# Altium PCB HAWACO_DATALOGER_DT-G2_V1.0.PcbDoc (part 1 of 3) (continued)
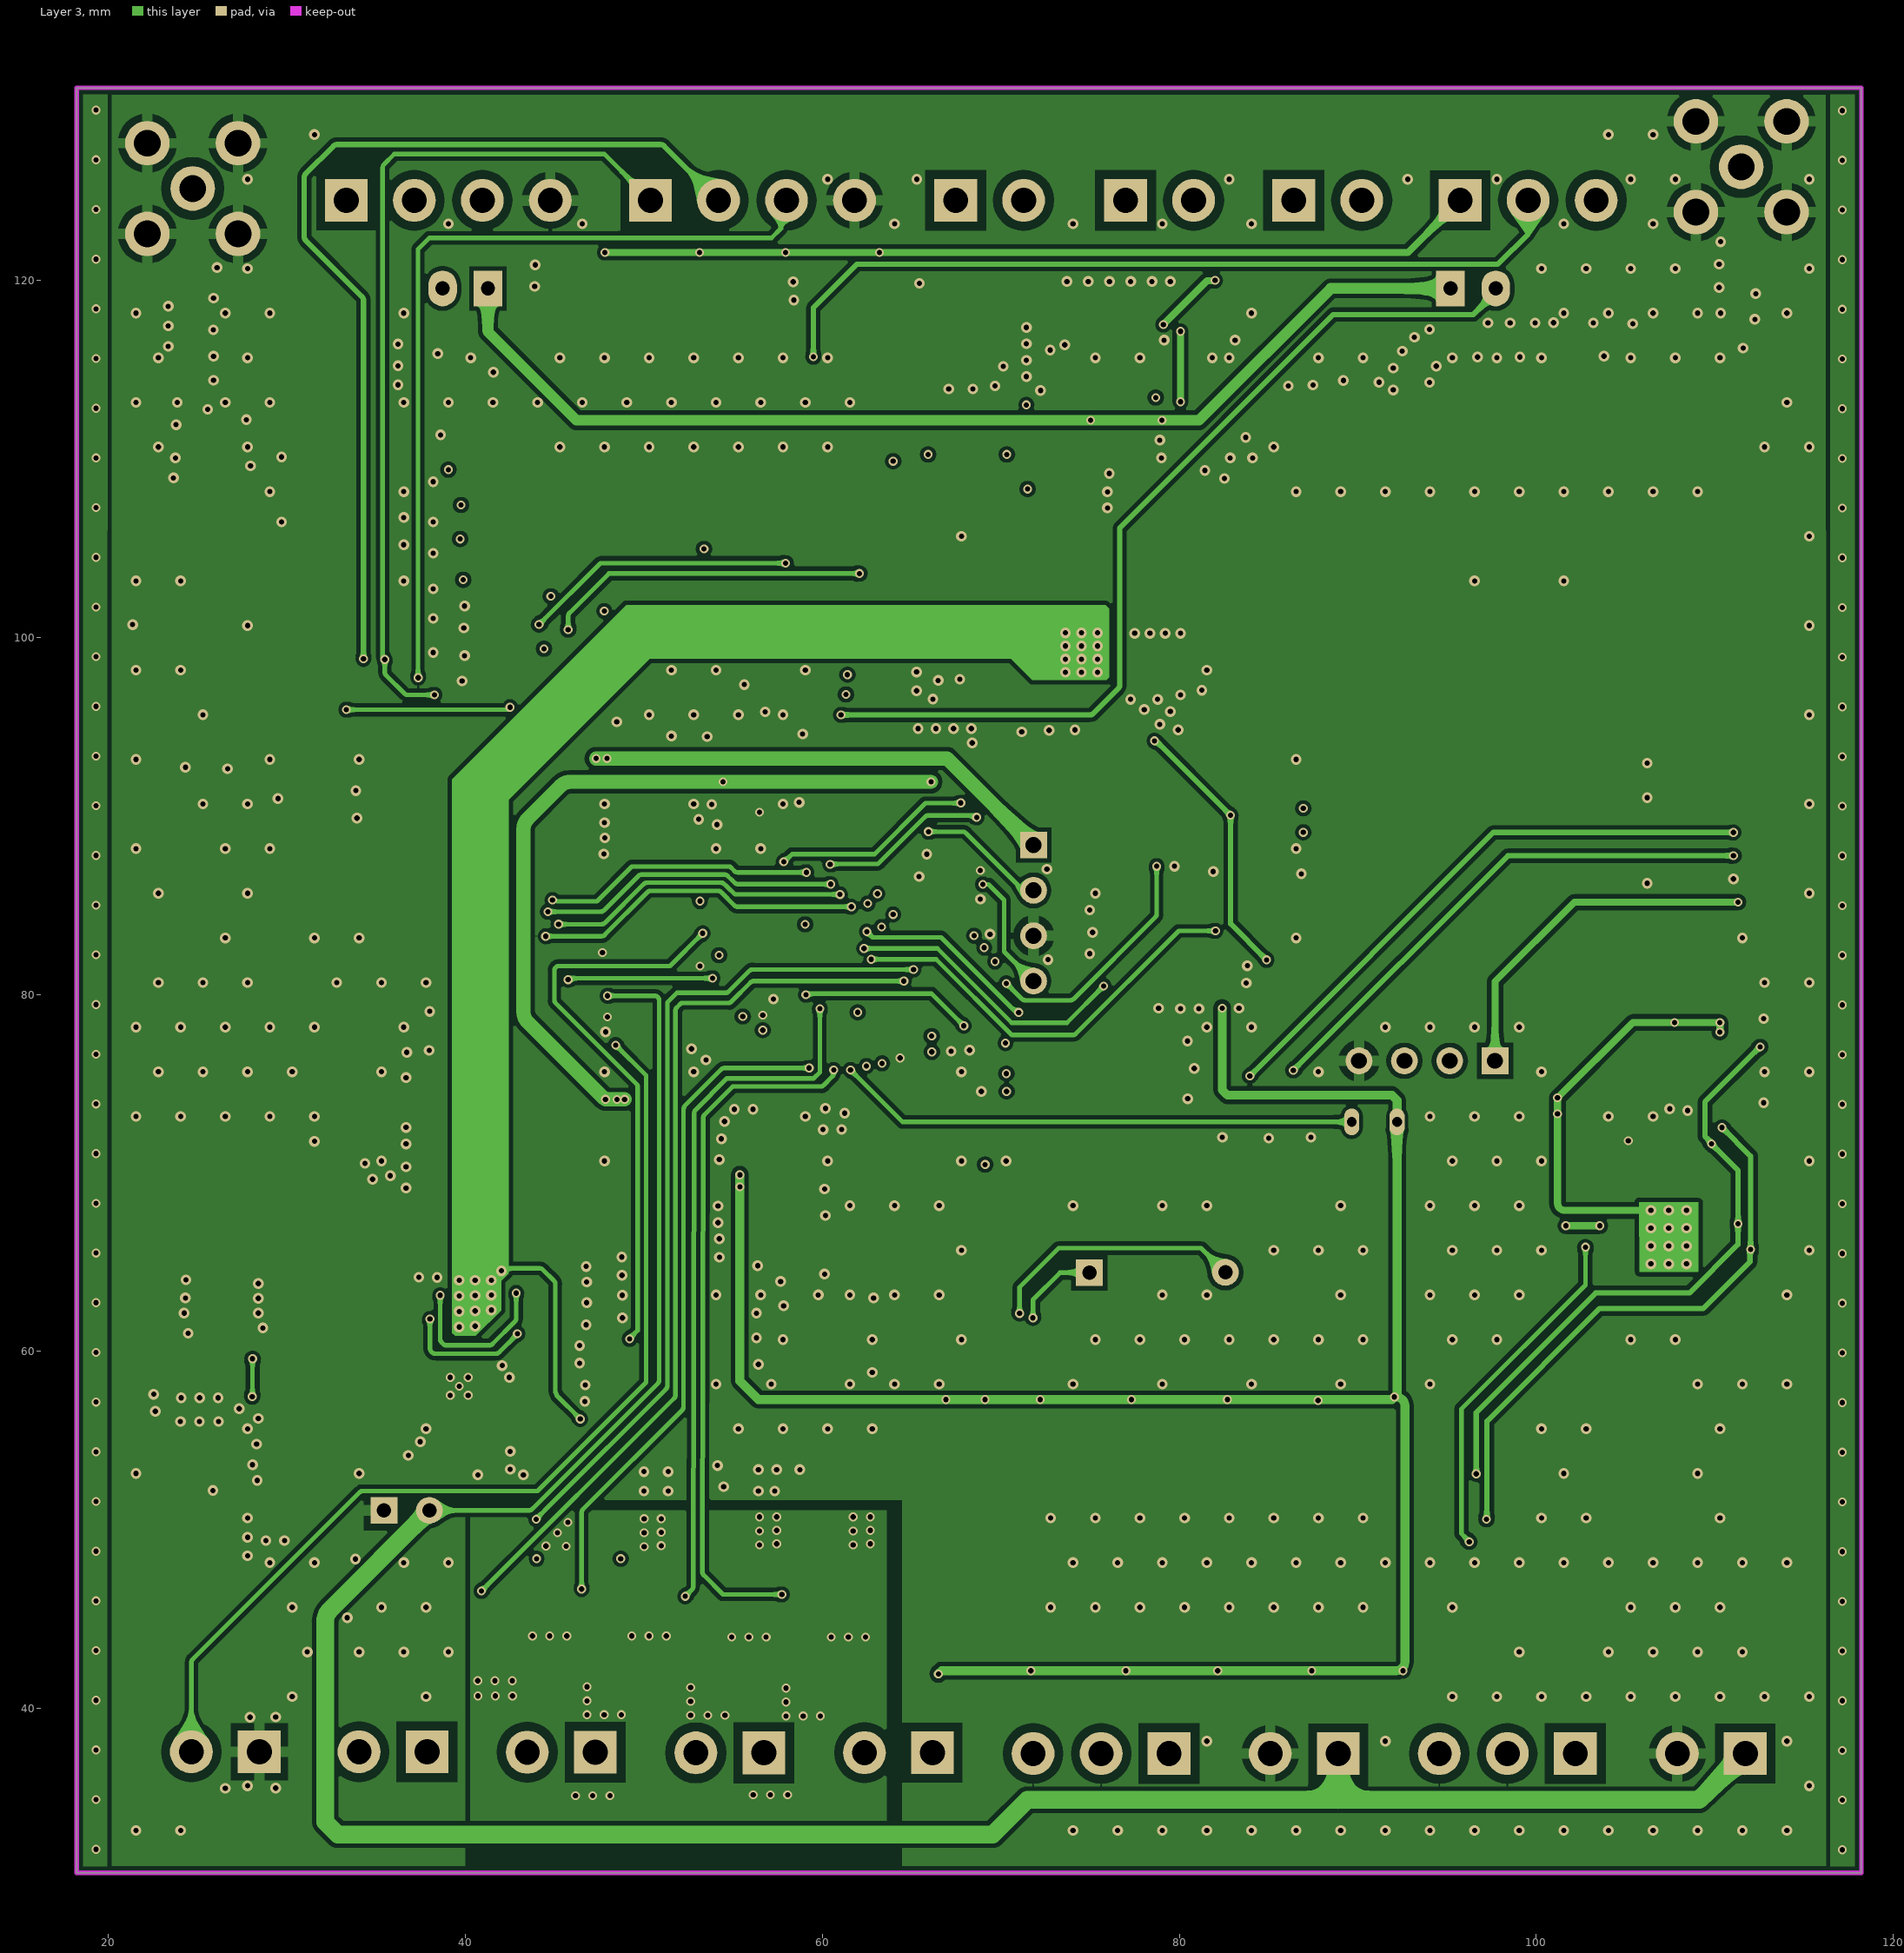
[diagram p3: Layer 3]
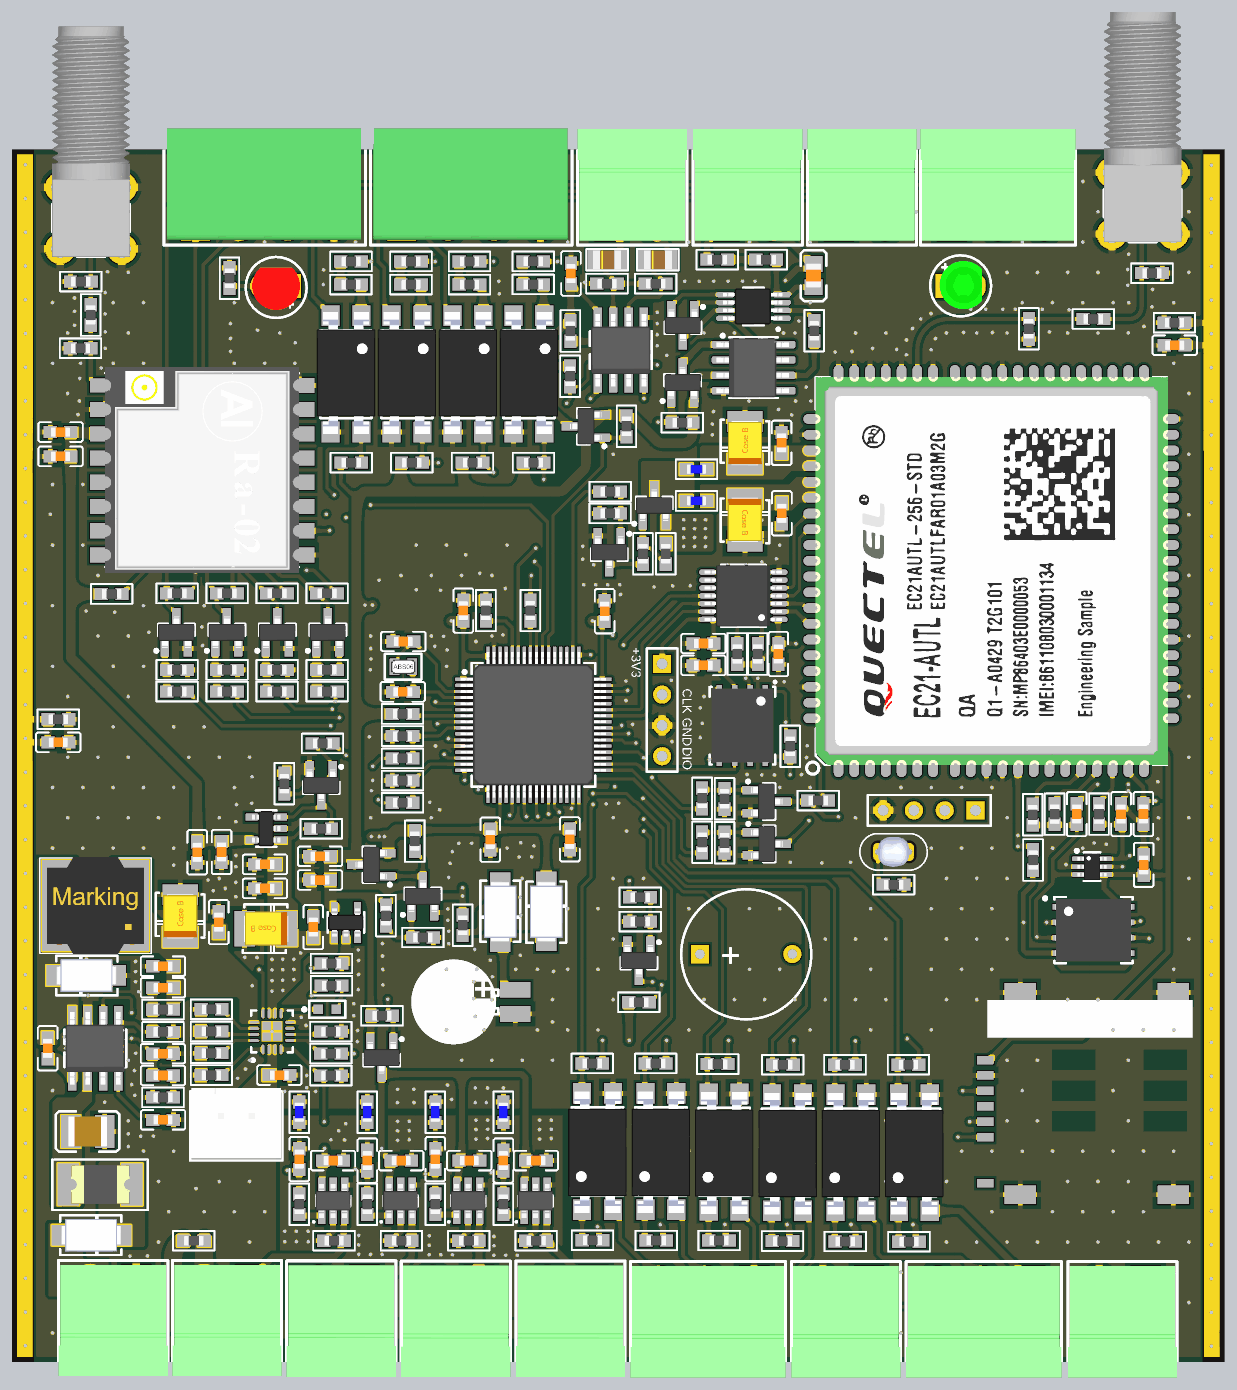
[diagram p6: 3D render of the assembled board from above, using the file's embedded part models]

## Layer stack, top to bottom
Top Solder: solder mask 0.01, Solder Resist, Dk 3.5
Top Layer: signal copper 0.036
Dielectric 2: prepreg 0.195, PP-006, Dk 4.1
Layer 2: signal copper 0.0175
Dielectric 1: dielectric 1.1, FR-4, Dk 4.8
Layer 3: signal copper 0.0175
Dielectric 3: prepreg 0.195, PP-006, Dk 4.1
Bottom Layer: signal copper 0.036
Bottom Solder: solder mask 0.01, Solder Resist, Dk 3.5

## Board outline
18.212,30.785 118.212,30.785 118.212,130.785 18.212,130.785

## Design rules (kind name [scope] priority, off if disabled: settings)
Clearance bighole [HoleDiameter >0.99 vs InPolygon] p1: gap=0.5 ignorepadtopadclearanceinfootprint=FALSE
Clearance "CUTOUT & PAD" [HasFootprint('Antenna 4G') vs OnLayer('Keep-Out Layer')] p2: gap=0.01 ignorepadtopadclearanceinfootprint=FALSE
Clearance ANT [InNet('GSM AT1')OR InNet('GSM AT2')OR InNet('NetR18_2') vs InPolygon] p3: gap=0.254 ignorepadtopadclearanceinfootprint=FALSE
Clearance "SMALL PAD" [(PadXSize_AllLayers<0.46) or (PadYSize_AllLayers<0.86)  or HasFootprint('32-VQFN') or HasFootprint('DC3_6P_1.27')] p4: gap=0.2 ignorepadtopadclearanceinfootprint=FALSE except(0.1: THPad-THPad; 0.15: Track-Track Track-SMDPad Track-Region SMDPad-SMDPad SMDPad-Region Region-Region; 0.254: Track-Poly SMDPad-Poly)
Clearance [All] p5: gap=0.254 ignorepadtopadclearanceinfootprint=FALSE except(0.15: Region-Region; 0.16: SMDPad-Region; 0.2: Arc-Arc Arc-Track Arc-SMDPad Arc-Region Track-Track Track-SMDPad Track-THPad Track-Region SMDPad-SMDPad THPad-Region Via-Region)
Height [All] p1: minheight=0 maxheight=50 prefheight=12.7
HoleSize [All] p1: absolutevalues=TRUE maxlimit=5 minlimit=0.025 maxpercent=80.000 minpercent=20.000
HoleToHoleClearance [All] p1: gap=0 allowstackedmicrovias=TRUE
MinimumSolderMaskSliver [All] p1: minsoldermaskwidth=0
PolygonConnect "big hole" [(PadXSize_AllLayers>0.9)or  (PadySize_AllLayers>0.9) or HoleDiameter > 0.79] p1: thpad.connectstyle=Relief thpad.reliefconductorwidth=0.6 thpad.reliefentries=4 thpad.polygonreliefangle="90 Angle" thpad.airgapwidth=0.5 smdpad.connectstyle=Relief smdpad.reliefconductorwidth=0.6 smdpad.reliefentries=4 smdpad.polygonreliefangle="90 Angle" smdpad.airgapwidth=0.5 via.connectstyle=Direct via.reliefconductorwidth=0.254 via.reliefentries=4 via.polygonreliefangle="90 Angle" via.airgapwidth=0.254
PolygonConnect [All] p2: thpad.connectstyle=Relief thpad.reliefconductorwidth=0.6 thpad.reliefentries=4 thpad.polygonreliefangle="90 Angle" thpad.airgapwidth=0.4 smdpad.connectstyle=Relief smdpad.reliefconductorwidth=0.4 smdpad.reliefentries=4 smdpad.polygonreliefangle="90 Angle" smdpad.airgapwidth=0.4 via.connectstyle=Direct via.reliefconductorwidth=0.254 via.reliefentries=4 via.polygonreliefangle="90 Angle" via.airgapwidth=0.254
RoutingVias [All] p1: holewidth=0.3 width=0.5 viastyle="Through Hole" minholewidth=0.3 minwidth=0.5 maxholewidth=0.3 maxwidth=0.5
ShortCircuit "ShortCircuit ANT" [HasFootprint('Antenna 4G')] p1: allowed=TRUE
ShortCircuit [All] p2: allowed=FALSE
SilkToSilkClearance [All] p1: silktosilkclearance=0
SilkToSolderMaskClearance [IsPad] p1: minsilkscreentomaskgap=0 clearancetoexposedcopper=TRUE
SolderMaskExpansion [All] p1: expansion=0.102 istentingtop=FALSE
Width "ANT 1" [InNet('GSM AT1')OR InNet('GSM AT2')OR InNet('NetR18_2')] p1: maxlimit=0.35 minlimit=0.35 preferedwidth=0.35
Width [All] p2: maxlimit=5 minlimit=0.1 preferedwidth=0.254
23 further rules are at their usual default settings.

## Classes and differential pairs
component class U_05: AT1 C19 C20 C21 C22 C23 C24 C25 C26 C27 C28 D4 L2 L3 M1 P3 P4 Q2 Q3 Q4 R17 R18 R19 R20 R21 R22 R23 R24 R25 R26 R27 R28 R29 R30 R31 R32 R33 R34 U5 U6 U7
component class U_04: AT2 C29 C30 C31 C32 C33 C34 C35 C36 C37 C38 C39 C40 C41 C42 C43 C44 C45 C46 C47 C48 C49 C50 D5 D6 D7 D8 D9 D10 D11 D12 F2 F3 L4 L5 L6 L7 O1 O2 O3 O4 O5 O6 O7 O8 O9 O10 P5 P6 P7 P8 P9 P10 P11 P12 P13 P14 P15 P16 P17 P18 P19 Q5 Q6 Q7 Q8 Q9 Q10 Q11 R35 R36 R37 R38 R39 R40 R41 R42 R43 R44 R45 R46 R47 R48 R49 R50 R51 R52 R53 R54 R55 R56 R57 R58 R59 R60 R61 R62 R63 R64 R65 R66 R67 R68 R69 R70 R71 R72 R73 R74 R75 R76 R77 R78 R79 R80 R81 R82 R83 R84 R85 R86 R87 R88 R89 R90 R91 R92 R93 R94 R95 R96 R97 R98 R99 R100 R101 R102 R103 R104 R105 R106 R107 R108 R109 R110 R111 R112 U8 U9 U10 U11 U12 U13 U14 U15 U16 U17 U18 X1
component class U_03: C1 C2 C3 C4 C5 C6 C7 C8 C9 C10 C11 C12 C13 C14 C15 C16 C17 C18 D1 D2 D3 F1 L1 P1 P2 Q1 R1 R2 R3 R4 R5 R6 R7 R8 R9 R10 R11 R12 R13 R14 R15 R16 U1 U2 U3 U4

## Components (designator, comment, footprint, x,y, rotation, side; value= is the part's Value field where it differs from the comment)
AT1 "SMA" SMA-KWE-17-V1 111.481,126.365 r90 top
AT2 "SMA" SMA-KWE-17-V1 24.714,125.146 r90 top
C1 "104/50V" "CAPC-0603 (1608)" 21.133,56.648 r90 top
C2 "227/6.3V" CAP_TANTAL_1210(3528) 32.073,67.564 r90 top
C3 "47uF/6.3V" "CAPC-0603 (1608)" 35.255,67.056 r270 top
C4 "104/50V" "CAPC-0603 (1608)" 30.65,63.421 r0 top
C5 "103/16V" "CAPC-0603 (1608)" 30.65,61.646 r0 top
C6 "106/50V" "CAPC-1210 (3225)" 24.448,49.784 r180 top
C7 "103/16V" "CAPC-0603 (1608)" 30.65,54.407 r0 top
C8 "47p/50V" "CAPC-0603 (1608)" 30.65,56.201 r180 top
C9 "103/16V" "CAPC-0603 (1608)" 30.658,50.749 r0 top
C10 "227/6.3V" CAP_TANTAL_1210(3528) 39.139,66.515 r180 top
C11 "104/50V" "CAPC-0603 (1608)" 43.053,66.65 r270 top
C12 "NF" "CAPC-0603 (1608)" 39.06,71.823 r0 top value=106/10V
C13 "NF" "CAPC-0603 (1608)" 39.06,69.842 r0 top value=104/50V
C14 "106/10V" "CAPC-0603 (1608)" 43.611,72.492 r0 top
C15 "104/50V" "CAPC-0603 (1608)" 43.611,70.536 r0 top
C16 "NF" "CAPC-0603 (1608)" 35.484,72.847 r90 top value=106/10V
C17 "NF" "CAPC-0603 (1608)" 33.473,72.819 r90 top value=104/50V
C18 "106/10V" "CAPC-0603 (1608)" 40.258,54.437 r180 top
C19 "104/50V" "CAPC-0603 (1608)" 81.419,89.18 r270 top
C20 "104/50V" "CAPC-0603 (1608)" 75.235,88.24 r180 top
C21 "104/50V" "CAPC-0603 (1608)" 111.563,71.78 r270 top
C22 "227/6.3V" CAP_TANTAL_1210(3528) 78.664,100.228 r270 top
C23 "227/6.3V" CAP_TANTAL_1210(3528) 78.664,106.604 r90 top
C24 "104/50V" "CAPC-0603 (1608)" 81.712,100.787 r270 top
C25 "104/50V" "CAPC-0603 (1608)" 81.686,106.604 r90 top
C26 "471/50V" "CAPC-0603 (1608)" 111.538,75.976 r90 top
C27 "10p/50V" "CAPC-0603 (1608)" 109.693,75.971 r270 top
C28 "10p/50V" "CAPC-0603 (1608)" 106.041,75.976 r270 top
C29 "104/50V" "CAPC-0603 (1608)" 50.308,47.387 r0 top
C30 "104/50V" "CAPC-0603 (1608)" 61.424,47.387 r0 top
C31 "104/50V" "CAPC-0603 (1608)" 55.925,47.387 r0 top
C32 "104/50V" "CAPC-0603 (1608)" 44.69,47.387 r0 top
C33 "104/50V" "CAPC-0603 (1608)" 114.121,114.656 r0 top
C34 "103/16V" "CAPC-0603 (1608)" 47.508,47.387 r270 top
C35 "103/16V" "CAPC-0603 (1608)" 58.732,47.387 r270 top
C36 "103/16V" "CAPC-0603 (1608)" 53.12,47.506 r270 top
C37 "103/16V" "CAPC-0603 (1608)" 41.896,47.506 r270 top
C38 "104/50V" "CAPC-0603 (1608)" 22.016,81.89 r180 top
C39 "104/50V" "CAPC-0603 (1608)" 75.24,90.047 r0 top
C40 "10p/50V" "CAPC-0603 (1608)" 50.48,90.21 r0 top
C41 "10p/50V" "CAPC-0603 (1608)" 50.437,86.055 r0 top
C42 "104/50V" "CAPC-0603 (1608)" 57.658,73.863 r90 top
C43 "104/50V" "CAPC-0603 (1608)" 67.086,92.71 r270 top
C44 "104/50V" "CAPC-0603 (1608)" 55.432,92.762 r270 top
C45 "104/50V" "CAPC-0603 (1608)" 64.221,73.889 r90 top
C46 "220mF/3.3V" CAP-SUPER-0.22F 59.715,60.477 r90 top
C47 "103/50V" "CAPC-0805 (2012)" 84.328,120.396 r90 top
C48 "104/50V" "CAPC-0603 (1608)" 64.316,120.571 r270 top
C49 "NF" "CAPC-0603 (1608)" 22.199,107.493 r0 top value=104/50V
C50 "NF" "CAPC-0603 (1608)" 22.199,105.486 r0 top value=106/10V
D1 "60V/3A" DIODE_DO214AC_SMA 24.752,41.224 r0 top
D2 "60V/3A" DIODE_DO214AC_SMA 24.308,62.662 r180 top
D3 "RED" "LED 0603" 44.206,59.859 r180 top
D4 "20V/4A" SOT23_3 71.183,101.45 r90 top
D5 "20V/4A" SOT23_3 48.696,55.875 r270 top
D6 "LED GREEN" LED_3MM-GREEN 95.191,119.548 r0 top
D7 "LED RED" LED_3MM-RED 41.258,119.548 r180 top
D8 "20V/4A" SOT23_3 47.844,71.8 r180 top
D9 "60V/3A" DIODE_DO214AC_SMA 62.281,67.945 r90 top
D10 "60V/3A" DIODE_DO214AC_SMA 58.468,67.89 r270 top
D11 "20V/4A" SOT23_3 73.522,111.571 r90 top
D12 "20V/4A" SOT23_3 65.543,107.966 r180 top
F1 "24V/1.5A" FUSE_1812(4532) 25.464,45.415 r180 top
F2 "6V/0.75A" "FUSE 0ZCK_BEL" 67.301,121.703 r0 top
F3 "6V/0.75A" "FUSE 0ZCK_BEL" 71.472,121.703 r0 top
L1 "15uH/2.6A" IND-74404084150 25.09,68.415 r0 top
L2 "23R/4A" "IND-0603 (1608)" 74.669,101.809 r0 top
L3 "23R/4A" "IND-0603 (1608)" 74.669,104.427 r0 top
L4 "23R/4A" "IND-0603 (1608)" 41.896,51.375 r270 top
L5 "23R/4A" "IND-0603 (1608)" 53.12,51.375 r270 top
L6 "23R/4A" "IND-0603 (1608)" 58.732,51.375 r270 top
L7 "23R/4A" "IND-0603 (1608)" 47.508,51.375 r270 top
M1 "MODULE EC21" EC21 98.987,96.02 r90 top
O1 "LTV-816S-TA1" "OPTO 1" 92.634,48.031 r90 top
O2 "LTV-816S-TA1" "OPTO 1" 71.725,48.133 r90 top
O3 "LTV-816S-TA1" "OPTO 1" 82.179,48.031 r90 top
O4 "LTV-816S-TA1" "OPTO 1" 76.952,48.082 r90 top
O5 "LTV-816S-TA1" "OPTO 1" 87.406,48.031 r90 top
O6 "LTV-816S-TA1" "OPTO 1" 66.497,48.133 r90 top
O7 "LTV-816S-TA1" "OPTO 1" 60.838,112.294 r270 top
O8 "LTV-816S-TA1" "OPTO 1" 45.75,112.294 r270 top
O9 "LTV-816S-TA1" "OPTO 1" 55.809,112.294 r270 top
O10 "LTV-816S-TA1" "OPTO 1" 50.779,112.294 r270 top
P1 "15EDG3.81-2P" HDR_3.81MM_RA_2x1 28.448,37.573 r180 top
P2 "NF" XH2.54-2P 37.339,51.09 r0 top value=XH2.54mm
P3 "NF" MUP-C792 98.501,55.677 r90 top value=MUP-C792
P4 "Header 4P" HDR1X4 97.687,76.279 r180 top
P5 "15EDG3.81-2P" HDR_3.81MM_RA_2x1 56.718,37.516 r180 top
P6 "15EDG3.81-2P" HDR_3.81MM_RA_2x1 47.269,37.547 r180 top
P7 "15EDG3.81-2P" HDR_3.81MM_RA_2x1 37.846,37.573 r180 top
P8 "15EDG3.81-2P" HDR_3.81MM_RA_2x1 66.167,37.522 r180 top
P9 "15EDG3.81-2P" HDR_3.81MM_RA_2x1 111.709,37.471 r180 top
P10 "Header 4P" HDR1X4 71.831,88.367 r270 top
P11 "15EDG3.81-3P" HDR_3.81MM_RA_3x1 102.184,37.471 r180 top
P12 "15EDG3.81-2P" HDR_3.81MM_RA_2x1 88.9,37.471 r180 top
P13 "15EDG3.81-3P" HDR_3.81MM_RA_3x1 79.426,37.471 r180 top
P14 "15EDG3.81-2P" HDR_3.81MM_RA_2x1 76.987,124.485 r0 top
P15 "15EDG3.81-4P" HDR_3.81MM_RA_4X1 33.325,124.485 r0 top
P16 "15EDG3.81-4P" HDR_3.81MM_RA_4X1 50.368,124.485 r0 top
P17 "15EDG3.81-3P" HDR_3.81MM_RA_3x1 95.733,124.485 r0 top
P18 "15EDG3.81-2P" HDR_3.81MM_RA_2x1 86.411,124.485 r0 top
P19 "15EDG3.81-2P" HDR_3.81MM_RA_2x1 67.462,124.485 r0 top
Q1 "NF" SOT23_3 43.702,78.348 r270 top value=2SC1815
Q2 "2SC1815" SOT23_3 67.467,97.574 r270 top
Q3 "2SC1815" SOT23_3 80.451,77.008 r0 top
Q4 "2SC1815" SOT23_3 80.465,73.514 r0 top
Q5 "NF" SOT23_3 69.917,63.877 r270 top value=2SC1815
Q6 "2SC1815" SOT23_3 52.095,69.19 r90 top
Q7 "2SC1815" SOT23_3 73.547,116.295 r270 top
Q8 "2SC1815" SOT23_3 44.255,90.971 r90 top
Q9 "2SC1815" SOT23_3 31.757,90.971 r90 top
Q10 "2SC1815" SOT23_3 35.923,90.971 r90 top
Q11 "2SC1815" SOT23_3 40.089,90.971 r90 top
R1 "0R" "RESC-0603 (1608)" 33.198,40.775 r0 top
R2 "270K" "RESC-0603 (1608)" 30.652,59.842 r0 top
R3 "51K" "RESC-0603 (1608)" 30.652,58.007 r180 top
R4 "51K" "RESC-0603 (1608)" 30.652,52.598 r0 top
R5 "NF" "RESC-0603 (1608)" 43.702,74.76 r180 top value=10K
R6 "2K2" "RESC-0603 (1608)" 34.647,56.246 r180 top
R7 "NF" "RESC-0603 (1608)" 43.815,81.802 r180 top value=1K
R8 "10K" "RESC-0603 (1608)" 44.506,56.211 r180 top
R9 "NF" "RESC-0603 (1608)" 40.665,78.486 r270 top value=10K
R10 "10K" "RESC-0603 (1608)" 34.647,54.437 r180 top
R11 "10K" "RESC-0603 (1608)" 34.647,58.041 r180 top
R12 "1K2" "RESC-0603 (1608)" 44.555,63.644 r180 top
R13 "100K" "RESC-0603 (1608)" 44.506,58.024 r180 top
R14 "10K" "RESC-0603 (1608)" 44.506,54.398 r180 top
R15 "47K" "RESC-0603 (1608)" 34.647,59.872 r0 top
R16 "2K2" "RESC-0603 (1608)" 44.556,61.815 r180 top
R17 "1M" "RESC-0603 (1608)" 72.133,97.443 r90 top
R18 "22R" "RESC-0603 (1608)" 70.254,97.443 r90 top
R19 "100K" "RESC-0603 (1608)" 84.709,77.089 r0 top
R20 "100K" "RESC-0603 (1608)" 79.726,89.18 r270 top
R21 "1K" "RESC-0603 (1608)" 67.543,102.578 r0 top
R22 "1K" "RESC-0603 (1608)" 75.133,77.272 r90 top
R23 "1K" "RESC-0603 (1608)" 75.133,73.644 r90 top
R24 "10K" "RESC-0603 (1608)" 67.538,100.784 r0 top
R25 "10K" "RESC-0603 (1608)" 76.982,77.229 r90 top
R26 "10K" "RESC-0603 (1608)" 76.982,73.611 r90 top
R27 "100K" "RESC-0603 (1608)" 78.033,89.18 r270 top
R28 "0R" "RESC-0603 (1608)" 107.404,116.819 r0 top
R29 "NF" "RESC-0603 (1608)" 102.087,116.009 r90 top value=0R
R30 "NF" "RESC-0603 (1608)" 112.243,120.599 r180 top value=0R
R31 "10K" "RESC-0603 (1608)" 102.413,75.921 r270 top
R32 "22R" "RESC-0603 (1608)" 107.874,75.971 r270 top
R33 "NF" "RESC-0603 (1608)" 102.438,72.187 r90 top value=0R
R34 "22R" "RESC-0603 (1608)" 104.216,75.971 r270 top
R35 "NF" "RESC-0603 (1608)" 69.917,60.452 r180 top value=10R
R36 "100K" "RESC-0603 (1608)" 114.096,116.51 r0 top
R37 "10K" "RESC-0603 (1608)" 47.508,43.781 r270 top
R38 "10K" "RESC-0603 (1608)" 58.732,43.781 r270 top
R39 "10K" "RESC-0603 (1608)" 53.12,43.781 r270 top
R40 "10K" "RESC-0603 (1608)" 41.896,43.781 r270 top
R41 "NF" "RESC-0603 (1608)" 70.018,69.11 r0 top value=1K
R42 "1R43" "RESC-0603 (1608)" 50.322,40.775 r0 top
R43 "1R43" "RESC-0603 (1608)" 61.434,40.775 r0 top
R44 "1R43" "RESC-0603 (1608)" 55.878,40.775 r0 top
R45 "1R43" "RESC-0603 (1608)" 44.766,40.775 r0 top
R46 "100K" "RESC-0603 (1608)" 48.718,59.334 r180 top
R47 "NF" "RESC-0603 (1608)" 70.018,67.103 r0 top value=10K
R48 "100K" "RESC-0603 (1608)" 22.016,83.795 r180 top
R49 "10K" "RESC-0603 (1608)" 92.151,55.296 r180 top
R50 "10K" "RESC-0603 (1608)" 71.298,55.397 r180 top
R51 "470K" "RESC-0603 (1608)" 50.415,76.907 r180 top
R52 "470K" "RESC-0603 (1608)" 50.415,80.571 r180 top
R53 "1K" "RESC-0603 (1608)" 92.202,40.691 r180 top
R54 "1K" "RESC-0603 (1608)" 71.349,40.792 r180 top
R55 "10K" "RESC-0603 (1608)" 82.398,81.559 r90 top
R56 "68K" "RESC-0603 (1608)" 50.415,78.739 r0 top
R57 "68K" "RESC-0603 (1608)" 50.415,82.403 r0 top
R58 "10K" "RES NTC 10K" 90.927,72.857 r90 top
R59 "10K" "RESC-0603 (1608)" 81.788,55.296 r180 top
R60 "200K" "RESC-0603 (1608)" 90.932,70.155 r180 top
R61 "10K" "RESC-0603 (1608)" 76.417,55.347 r180 top
R62 "1K" "RESC-0603 (1608)" 81.763,40.742 r180 top
R63 "1K" "RESC-0603 (1608)" 76.53,40.792 r180 top
R64 "330R" "RESC-0603 (1608)" 60.964,92.762 r90 top
R65 "180R" "RESC-0603 (1608)" 36.141,120.187 r270 top
R66 "10K" "RESC-0603 (1608)" 86.919,55.296 r180 top
R67 "10K" "RESC-0603 (1608)" 66.065,55.397 r180 top
R68 "1K" "RESC-0603 (1608)" 86.938,40.71 r180 top
R69 "1K" "RESC-0603 (1608)" 66.085,40.811 r180 top
R70 "100K" "RESC-0603 (1608)" 51.43,73.744 r90 top
R71 "10K" "RESC-0603 (1608)" 57.288,92.762 r90 top
R72 "1K" "RESC-0603 (1608)" 55.372,66.802 r90 top
R73 "100K" "RESC-0603 (1608)" 50.415,84.235 r0 top
R74 "1K" "RESC-0603 (1608)" 49.047,67.589 r270 top
R75 "10K" "RESC-0603 (1608)" 52.095,65.79 r180 top
R76 "15K" "RESC-0603 (1608)" 84.379,115.849 r90 top
R77 "150R" "RESC-0603 (1608)" 80.416,121.717 r180 top